# KiCad board Sebas_nuxros.kicad_pcb (continued)
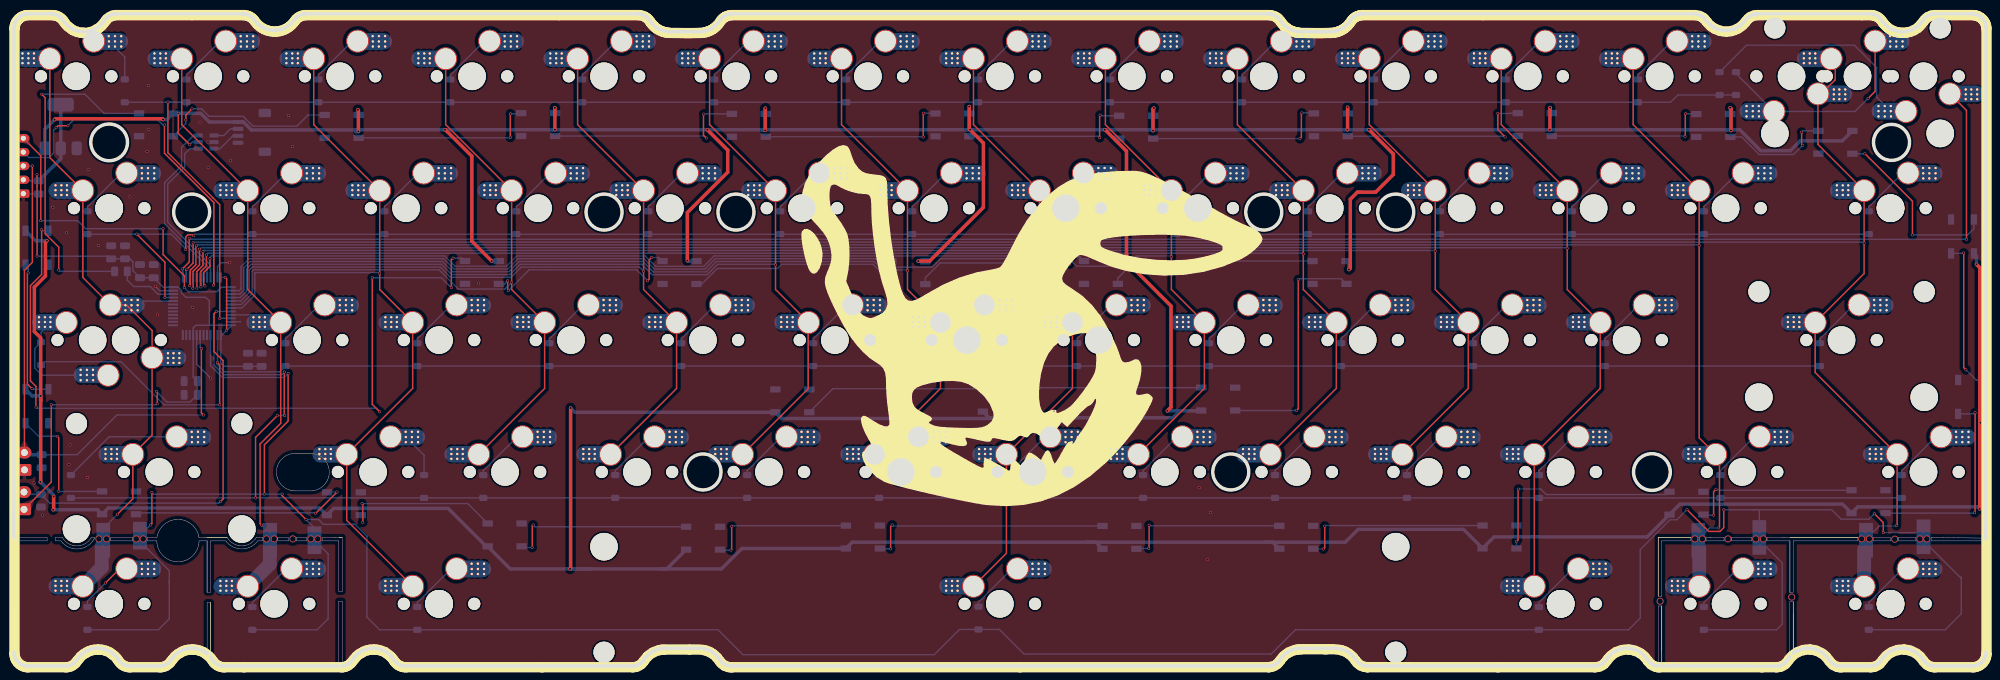
[diagram p0: board, top side]
## Nets (continued)
Net-(Drgb10-DOUT): Drgb10.2 Drgb11.4
Net-(Drgb11-DOUT): Drgb11.2 Drgb12.4
Net-(Drgb12-DOUT): Drgb12.2 Drgb13.4
Net-(Drgb13-DOUT): Drgb13.2 Drgb14.4
Net-(Drgb14-DOUT): Drgb14.2 Drgb15.4
Net-(Drgb15-DOUT): Drgb15.2 Drgb16.4
Net-(Drgb16-DOUT): Drgb16.2 Drgb17.4
Net-(Drgb17-DOUT): Drgb17.2 Drgb18.4
Net-(Drgb18-DOUT): Drgb18.2 Drgb19.4
Net-(Drgb19-DOUT): Drgb19.2 Drgb21.4
Net-(Drgb20-DIN): Drgb20.4 R2.2
Net-(Drgb21-DOUT): Drgb21.2 Drgb22.4
Net-(Drgb22-DOUT): Drgb22.2 Drgb23.4
Net-(Drgb23-DOUT): Drgb23.2 Drgb24.4
Net-(Drgb24-DOUT): Drgb24.2 Drgb25.4
Net-(Drgb25-DOUT): Drgb25.2 Drgb26.4
Net-(Drgb26-DOUT): Drgb26.2 Drgb27.4
Net-(Drgb27-DOUT): Drgb27.2 Drgb28.4
Net-(Drgb28-DOUT): Drgb28.2 Drgb29.4
Net-(Drgb29-DOUT): Drgb29.2 Drgb30.4
Net-(Drgb30-DOUT): Drgb30.2 Drgb31.4
Net-(Drgb31-DOUT): Drgb31.2 Drgb32.4
Net-(J1-Pin_2): J1.2 U3.1
Net-(J1-Pin_3): J1.3 U3.3

Pads without a net: Drgb32 2; Ud1 5 6 10 11 12 13 14 15 16 17 18 19

## Via types
v1: diameter 1, hole 0.8, Top to Bottom, 21 vias
v2: diameter 0.4, hole 0.3, Top to Bottom, 206 vias

## Routing (per net, layer and track width the routed paths; a pad name or vN(x,y) marks a point on that pad's centre or on a via; arc(x,y) is an arc through that point)
+3.3V: length 136.3
  Top w0.2: v2(30.72,48.49) 30.72,55.94 v2(30.53,56.13) ; v2(3.35,70.99) v2(3.35,59.22) ; v2(20.7,37.91) 20.7,39.55 v2(20.59,39.66) ; v2(5.4,37.75) 5.4,26.59 SWbôt1.1
  Bottom w0.2: v2(3.35,59.22) 13.66,59.22 C4.2 C9.2 16.77,58.83 17.19,58.41 17.19,57.13 C3.2 C8.2 21.55,54.74 Ud1.24 23.75,54.74 24.2,54.29 24.2,53.91 24.84,53.27 27.7,53.27 28.22,52.75 28.22,49.24 ; 28.22,49.24 26.28,49.24 25.89,48.85 Ud1.9 25.89,41.76 C7.2 C2.2 25.43,38.15 22.1,38.15 v2(20.59,39.66) ; 28.22,49.24 Ud1.48 31.3,49.07 v2(30.72,48.49) 30.06,47.83 Ud1.1 29.89,43.71 30.3,43.3 C1.2 C6.2 ; v2(20.7,37.91) 20.54,37.75 v2(5.4,37.75) ; Ud1.36 30.51,56.15 v2(30.53,56.13) ; J2.2 1.51,70.1 C5.2 3.35,70.33 v2(3.35,70.99)
  Bottom w0.5: C5.2 6.77,73.29 U2.2 U2.2
+5V: length 968.8
  Top w0.2: v2(25.38,75.32) 23.74,76.96 v2(23.74,79.84)
  Top w0.5: v2(195.63,77.48) 195.65,77.48 199.15,73.97 199.15,71.02 196.6,68.47 193.97,68.47 192.94,67.44 192.94,57.48 v2(192.74,57.28) ; v2(192.52,77.48) 192.55,77.51 v2(192.55,80.73) ; v2(247.91,77.37) 247.91,80.53 v2(247.77,80.67) ; v2(5.67,22.59) 5.74,22.66 v2(5.74,24.51) ; v2(283.79,22.73) 283.83,22.77 283.83,34.71 ; v2(166.52,36.87) 167.06,37.41 167.06,52.02 160.63,58.45 160.63,59.58 ; v2(97.23,58.58) 97.23,65.52 103.06,71.35 103.06,74.53 v2(100.11,77.48) ; v2(78.1,80.65) 78.11,80.64 v2(78.11,77.48) ; v2(283.34,58.04) 283.83,57.55 283.83,34.71 ; v2(221.76,77.48) 221.76,80.65 v2(221.79,80.68) ; v2(108.46,77.39) 108.46,80.55 v2(108.5,80.59) ; 283.83,34.71 283.83,35.02 v2(283.96,35.15) ; 3.87,38.59 3.87,26.66 v2(3.81,26.6) ; 3.87,38.59 3.87,47.41 2.96,48.32 2.96,54.75 4.56,56.35 4.56,61.24 v2(4.77,61.45) ; 3.87,38.59 3.87,38.34 v2(3.87,39.03) ; 160.63,59.58 160.63,74.39 157.55,77.48 v2(157.5,77.48) ; 160.63,59.58 v2(160.63,58.88) ; v2(130.55,58.52) 132.22,58.52 139.97,66.28 139.97,75.56 v2(138.05,77.48) 137.93,77.6 v2(137.93,80.83) ; v2(21.54,78.95) 21.44,79.06 6,79.06 v2(5.87,78.93) ; v2(62.22,77.48) 62.3,77.48 66.11,73.67 66.11,61.39 v2(68.99,58.51) ; v2(49.74,77.23) 49.74,80.29 v2(49.66,80.37) ; v2(164.58,80.61) 164.46,80.49 v2(164.46,77.34) ; v2(80.3,14.04) 80.38,14.12 v2(80.38,37.29)
  Bottom w0.2: v2(25.38,75.32) 25.76,75.7 U3.5
  Bottom w0.5: Drgb8.1 247.77,79.77 v2(247.77,80.67) ; Drgb24.1 3.12,61.45 v2(4.77,61.45) ; Drgb29.1 192.74,58.16 v2(192.74,57.28) ; Drgb25.1 69,58.52 v2(68.99,58.51) ; v2(221.79,80.68) 221.79,80.11 Drgb7.1 ; v2(160.63,58.88) 160.27,58.52 Drgb28.1 ; 137.45,77.48 v2(138.05,77.48) ; 137.45,77.48 107.94,77.48 ; 137.45,77.48 v2(157.5,77.48) 163.72,77.48 ; 77.65,77.48 v2(62.22,77.48) 49.95,77.48 ; 77.65,77.48 v2(100.11,77.48) 107.94,77.48 ; 77.65,77.48 v2(78.11,77.48) ; Drgb15.1 181.76,17.9 180.7,17.9 ; 154.84,17.9 180.7,17.9 ; 154.84,17.9 156.21,17.9 Drgb16.1 ; 154.84,17.9 121.02,17.9 Drgb17.1 105.11,17 102.15,14.04 93.27,14.04 ; 180.7,17.9 192.21,17.9 194.07,19.76 209.28,19.76 Drgb14.1 213.69,18.67 235.8,18.67 Drgb13.1 240.53,23.4 264.01,23.4 Drgb12.1 266.2,23.01 283.51,23.01 v2(283.79,22.73) ; Drgb9.1 263.97,75.87 257.88,75.87 256.46,74.45 252.2,74.45 249.17,77.48 247.29,77.48 ; Drgb4.1 137.93,79.85 v2(137.93,80.83) ; 107.94,77.48 108.37,77.48 v2(108.46,77.39) ; 83.29,14.04 93.27,14.04 ; 83.29,14.04 71.67,14.04 Drgb19.1 68.18,17.31 62.7,22.79 46.17,22.79 Drgb21.1 44.16,22.84 13.63,22.84 Drgb22.1 12.08,22.59 v2(5.67,22.59) ; 83.29,14.04 v2(80.3,14.04) ; 93.27,14.04 94.26,14.04 Drgb18.1 ; v2(3.81,26.6) 3.83,26.6 5.74,24.69 v2(5.74,24.51) ; 49.95,77.48 49.92,77.45 34.29,77.45 33.14,78.6 J1.1 28.22,78.6 26.98,79.84 Drgb20.1 22.09,78.95 v2(21.54,78.95) ; 49.95,77.48 49.63,77.48 49.36,77.21 49.72,77.21 v2(49.74,77.23) ; v2(130.55,58.52) 130.6,58.47 Drgb27.1 ; 168.34,36.87 171.36,36.87 Drgb30.1 ; 168.34,36.87 167.34,35.87 141.51,35.87 ; 168.34,36.87 v2(166.52,36.87) ; Drgb3.1 108.5,79.83 v2(108.5,80.59) ; v2(78.1,80.65) 78.1,79.91 Drgb2.1 ; v2(5.87,78.93) 4.47,77.53 U2.3 ; v2(192.55,80.73) 192.59,80.69 Drgb6.1 ; Drgb23.1 2.64,39.03 v2(3.87,39.03) ; v2(49.66,80.37) 49.66,79.72 Drgb1.1 ; Drgb31.1 140.8,35.87 141.51,35.87 ; v2(80.38,37.29) 81,36.67 Drgb32.1 110.84,35.77 141.41,35.77 141.51,35.87 ; 163.72,77.48 v2(192.52,77.48) v2(195.63,77.48) 247.29,77.48 ; 163.72,77.48 164.32,77.48 v2(164.46,77.34) ; 247.29,77.48 247.8,77.48 v2(247.91,77.37) ; Drgb10.1 283.34,59.25 v2(283.34,58.04) ; Drgb5.1 164.58,79.59 v2(164.58,80.61) ; v2(97.23,58.58) 97.31,58.5 Drgb26.1 ; v2(283.96,35.15) 283.96,36.44
GND: length 17.1
  Bottom w0.2: Ud1.35 29.39,57.7 29.97,58.28 v2(31.17,58.28) ; 32.7,49.78 32.66,49.74 Ud1.47 ; Ud1.23 21.05,54.24 v2(20.44,54.85) ; Ud1.8 26.39,43.63 v2(28.42,41.6) ; J2.1 1.41,68.2 C5.1
  vias: v2(2.91,26.47) v2(4.14,21.82) v2(5.63,66.29) v2(7.6,62.59) v2(7.96,29.14) v2(8.11,31.95) v2(10.65,27.26) v2(10.72,71.74) v2(12.18,60.77) v2(16.76,67.77) v2(19.23,74.34) v2(19.4,83.85) v2(19.49,77.52) v2(20.73,50.74) v2(25.83,51.84) v2(26.87,78.57) v2(28.03,75.69) v2(28.05,72.03) v2(31.29,73.07) v2(39.63,79.53) v2(40.26,75.03) v2(67.1,55.32) v2(171.15,25.78) v2(172.34,15.39) v2(172.74,22.2)
(no net):
  vias: v1(40.27,18.38) v1(237.67,9.38) v1(247.47,18.38) v1(256.67,9.98) v1(271.54,18.34)
boot: length 59.5
  Top w0.2: v2(29.22,51.22) 28.89,50.89 28.89,45.44 30.21,44.12 30.21,24.16 v2(29.83,23.78)
  Bottom w0.2: v2(29.22,51.22) 29.24,51.24 Ud1.44 ; SWbôt1.2 1.8,24.81 R1.1 5.17,23.55 29.6,23.55 v2(29.83,23.78)
C0: length 93.9
  Top w0.2: SW1.2 5.19,73.45 SW16.2 9.95,56.15 SW1001.1 16.25,52.18 19.95,48.48 SW30.2 19.95,33.37 SW1000.2 17.17,24.16 v2(14.95,21.94)
  Bottom w0.2: NOREF#8.1 12.9,19.89 v2(14.95,21.94) ; Ud1.20 22.97,52.73 16.73,52.73 SW1001.1
  Bottom w2: 12.69,17.28 12.69,14.28 SW57.2
  vias: v1(12.27,18.38) v1(13.37,18.38)
C1: length 89.6
  Top w0.2: v2(35.77,20.36) 35.54,20.59 35.54,32.09 38.53,35.07 SW31.2 33.76,54.4 SW17.2 24.24,78.22 SW2.2
  Bottom w0.2: Ud1.45 35.25,50.74 SW31.2 ; NOREF#4.1 37,19.13 v2(35.77,20.36)
  Bottom w2: 36.94,17.01 36.94,14.72 SW58.2
  vias: v1(36.47,18.38) v1(37.57,18.38)
C2: length 115.5
  Top w0.2: SW3.2 43.29,78.22 SW18.2 52.81,54.4 SW32.2 57.58,40.12 SW45.2 48.05,21.07 SW59.2
  Bottom w0.2: Ud1.43 32.92,51.74 34.79,53.61 34.79,56.8 34.84,56.85 52.71,56.85 v2(52.81,56.75)
C3: length 113.1
  Top w0.2: SW4.2 62.34,78.22 SW19.2 v2(71.86,55.44) 71.86,54.4 SW33.2 76.63,40.12 SW46.2
  Bottom w0.2: Ud1.42 32.82,52.24 34.39,53.81 34.39,57.03 34.61,57.25 61.38,57.25 64.16,54.47 70.91,54.47 71.86,55.42 v2(71.86,55.44)
C4: length 132
  Top w0.2: SW5.2 81.39,78.22 SW20.2 v2(90.91,57.04) 90.91,54.4 SW34.2 95.68,40.12 SW47.2
  Bottom w0.2: Ud1.41 32.76,52.74 33.99,53.97 33.99,57.19 34.45,57.65 61.55,57.65 63.04,56.16 71.78,56.16 73.27,57.65 90.3,57.65 v2(90.91,57.04)
C5: length 152.1
  Top w0.2: SW48.2 114.68,40.07 114.68,49.6 SW35.2 109.96,54.4 SW21.2 100.44,78.22 SW6.2
  Bottom w0.2: Ud1.40 32.69,53.24 33.59,54.14 33.59,57.36 34.28,58.05 61.71,58.05 63.2,56.56 71.62,56.56 73.11,58.05 90.64,58.05 92.14,56.55 100.1,56.55 101.6,58.05 109.86,58.05 v2(109.96,57.95)
C6: length 171.6
  Top w0.2: SW49.2 133.78,40.12 SW36.2 129.01,54.4 SW22.2 119.49,78.22 SW7.2
  Bottom w0.2: v2(129.01,57.13) 128.91,57.23 125.44,57.23 124.22,58.45 101.43,58.45 99.93,56.95 92.31,56.95 90.81,58.45 72.94,58.45 71.46,56.97 63.36,56.97 61.88,58.45 34.12,58.45 33.19,57.52 33.19,54.3 32.63,53.74 Ud1.39
C7: length 212.3
  Top w0.2: SW8.2 138.54,78.22 SW23.2 148.06,54.4 SW37.2 152.83,40.12 SW50.2 143.3,16.3 SW62.2
  Bottom w0.2: v2(148.06,58.75) 147.96,58.85 133.77,58.85 133.13,58.21 ; 133.13,58.21 132.55,57.63 125.6,57.63 124.38,58.85 101.27,58.85 99.77,57.35 92.48,57.35 90.98,58.85 72.78,58.85 71.3,57.37 63.53,57.37 62.05,58.85 33.95,58.85 32.79,57.69 32.79,54.47 32.56,54.24 Ud1.38 ; 133.13,58.21 133.23,58.31
C8: length 215.5
  Top w0.2: v2(27.59,54.91) 27.4,55.1 27.4,56.86 28.3,57.76 v2(28.3,58.86) ; SW9.2 157.59,78.22 SW24.2 167.11,54.4 SW38.2 171.88,40.12 SW51.2
  Bottom w0.2: Ud1.31 27.39,55.11 v2(27.59,54.91) ; v2(28.3,58.86) 28.3,59 28.55,59.25 62.21,59.25 63.69,57.77 71.13,57.77 72.61,59.25 91.14,59.25 92.64,57.75 99.6,57.75 101.1,59.25 151.96,59.25 153.44,57.77 160.54,57.77 162.02,59.25 167.01,59.25 v2(167.11,59.15)
C9: length 231.9
  Top w0.2: v2(27.8,59.39) 27.8,57.82 27,57.03 v2(27,54.78) ; SW52.2 190.93,40.12 SW39.2 186.16,54.4 SW25.2 176.64,78.22 SW10.2
  Bottom w0.2: v2(186.16,59.55) 186.06,59.65 28,59.65 27.85,59.5 27.85,59.44 v2(27.8,59.39) ; v2(27,54.78) 26.89,54.89 Ud1.30
C10: length 252.2
  Top w0.2: SW53.2 209.98,40.12 SW40.2 205.21,54.4 SW26.2 195.69,78.22 SW11.2 ; v2(27.3,59.88) 27.3,57.89 26.43,57.02 v2(26.43,54.61)
  Bottom w0.2: v2(26.43,54.61) 26.39,54.65 Ud1.29 ; v2(27.3,59.88) 27.3,59.89 27.46,60.05 205.11,60.05 v2(205.21,59.95)
C11: length 291.3
  Top w0.2: SW12.2 214.74,78.22 SW27.2 224.26,54.4 SW41.2 229.03,40.12 SW54.2 219.5,11.54 SW68.2 ; v2(26.8,60.22) 26.8,57.96 25.88,57.03 25.88,54.62 v2(25.83,54.57)
  Bottom w0.2: v2(224.26,60.35) 224.16,60.45 27.06,60.45 26.84,60.22 v2(26.8,60.22) ; Ud1.28 25.89,54.63 v2(25.83,54.57)
C12: length 306.6
  Top w0.2: v2(25.38,54.97) 25.46,55.05 25.46,57.18 26.28,58 26.28,60.62 v2(26.38,60.72) ; v2(246.1,19.96) 246.24,20.1 246.24,30.04 SW55.2 243.31,32.97 v2(243.31,60.75) SW28.2 233.79,78.22 SW13.2
  Bottom w0.2: 243.2,18.15 243.2,18.35 244.81,19.96 v2(246.1,19.96) 246.05,19.91 ; v2(243.31,60.75) 243.21,60.85 26.51,60.85 v2(26.38,60.72) ; Ud1.27 25.39,54.98 v2(25.38,54.97)
  Bottom w2: SW69.2 243.31,16.95
  vias: v1(242.67,18.38) v1(243.77,18.38)
C13: length 337.5
  Top w0.2: SW1002.2 262.95,87.15 262.95,84.69 260.92,82.66 SW14.2 260.46,75.36 SW29.2 v2(267.13,61.08) 267.13,56.71 SW43.2 260.06,42.42 SW56.2 271.89,20.42 v2(271.78,20.31) ; v2(25.88,61.15) 25.88,58.23 24.82,57.17 v2(24.98,57.33)
  Bottom w0.2: v2(267.13,61.08) 266.96,61.25 25.98,61.25 v2(25.88,61.15) ; v2(24.98,57.33) 24.89,57.24 Ud1.26 ; v2(271.78,20.31) 271.72,20.25 269.31,20.25 267.4,18.34 NOREF#2.1
  Bottom w2: SW70.2 267.13,16.9
  vias: v1(266.77,18.38) v1(267.87,18.38)
C14: length 284.7
  Top w0.2: v2(25.32,61.81) 25.32,58.38 v2(24.32,57.38) ; SW15.2 281.9,80.27 v2(281.9,61.67)
  Bottom w0.2: v2(25.32,61.81) 25.48,61.65 281.88,61.65 v2(281.9,61.67) ; Ud1.25 24.39,57.31 v2(24.32,57.38)
CLK: length 48.1
  Top w0.2: J2.5 3.88,73.73 v2(3.88,64.35) ; v2(21.54,63.19) 21.54,59.45 24.62,56.37 v2(24.62,54.67)
  Bottom w0.2: v2(3.88,64.35) 9.19,64.35 10.35,63.19 v2(21.54,63.19) ; v2(24.62,54.67) 25.22,54.07 29.3,54.07 29.97,54.74 Ud1.37
D+: length 23.7
  Bottom w0.2: U3.4 25.43,74.75 24.67,73.99 24.67,72.1 22.22,69.65 22.22,64.1 28.37,57.95 28.37,57.28 28.39,57.26 Ud1.33
D-: length 25.5
  Bottom w0.2: Ud1.32 27.89,57.26 27.92,57.28 27.92,57.77 21.77,63.92 21.77,69.83 24.22,72.28 24.22,74.95 25.91,76.65 U3.6
DIO: length 52.5
  Top w0.2: v2(6.09,77.77) 6.37,78.05 v2(7.79,78.05) ; v2(28.81,55.02) 28.87,55.08 28.87,66.95 21.74,74.08 v2(21.74,78.17)
  Bottom w0.2: J2.4 2.13,73.48 5.11,73.48 5.72,74.1 5.72,77.4 v2(6.09,77.77) ; v2(7.79,78.05) 8.65,78.91 20.81,78.91 21.55,78.17 v2(21.74,78.17) ; v2(28.81,55.02) 28.89,55.1 Ud1.34
R0: length 271.7
  Top w0.2: v2(29.72,50.21) 29.72,66.67 22.24,74.15 v2(22.24,81.48)
  Bottom w0.2: v2(22.24,81.48) 22.74,81.48 22.77,81.45 D2.1 ; D2.1 D13.1 239.17,81.45 240.22,82.5 D14.1 ; D2.1 D1.1 ; v2(29.72,50.21) 29.75,50.24 Ud1.46
R1: length 272.3
  Top w0.2: v2(25.96,62.19) 25.84,62.31 25.11,62.31 24.81,62 v2(24.81,60.17) ; v2(21.8,53.23) 21.8,58.35 v2(17.75,62.4)
  Bottom w0.2: D16.1 v2(17.75,62.4) 22.72,62.4 24.81,60.31 v2(24.81,60.17) ; v2(21.8,53.23) 21.81,53.24 Ud1.21 ; D29.1 267.78,62.38 34.46,62.38 D17.1 26.17,62.4 v2(25.96,62.19)
R2: length 271.2
  Top w0.2: v2(29.71,37.75) 29.71,43.53 v2(29.39,43.85)
  Bottom w0.2: D43.1 D31.1 38.35,42.5 30.44,42.5 29.39,43.55 v2(29.39,43.85) Ud1.2 ; v2(29.71,37.75) 21.69,37.75 15.47,43.97 4.41,43.97 D30.1
R3: length 300.1
  Top w0.2: v2(34.89,24.3) 34.89,33.05 v2(38.03,36.18) ; v2(39.1,36.21) 39.04,36.27 v2(39.04,42.49)
  Bottom w0.2: v2(39.04,42.49) 38.66,42.1 30.28,42.1 28.89,43.48 Ud1.3 ; v2(39.1,36.21) 38.06,36.21 v2(38.03,36.18) ; D42.1 v2(34.89,24.3) D56.1
R4: length 450.3
  Top w0.2: v2(241.55,22.61) 244.7,19.46 246.31,19.46 246.85,20 v2(246.85,22.59) ; v2(269.88,19.29) 269.88,20.75 v2(268.61,22.02) ; v2(42.18,21.18) 38.74,24.62 v2(38.74,24.85) ; v2(19.73,20.4) 19.92,20.59 v2(19.92,25.1) ; v2(39.6,42.27) 39.6,35.41 36.17,31.98 v2(36.17,24.85)
  Bottom w0.2: 281.14,12.68 281.14,12.9 ; 281.14,12.68 281.14,7.57 278.82,5.25 D70.1 267.75,5.3 ; 281.14,12.68 275.7,18.12 NOREF#3.1 ; 22.43,12.08 22.43,6.83 20.85,5.25 D57.1 ; 22.43,12.08 22.43,13.79 18.2,18.02 NOREF#6.1 19.73,20.37 v2(19.73,20.4) ; 22.43,12.08 22.43,12.41 ; v2(268.61,22.02) 267.82,21.23 263.8,21.23 262.44,22.59 251.87,22.59 ; 251.87,22.59 252,22.46 NOREF#5.1 252,18.21 255.3,14.91 255.3,6.07 254.48,5.25 D69.1 ; 251.87,22.59 251.14,22.59 ; v2(241.55,22.61) 240.08,21.14 239.09,21.14 234.8,16.85 234.8,6.94 233.11,5.25 D68.1 185.12,5.25 185.07,5.3 181.52,1.75 145.84,1.75 142.29,5.3 D62.1 136.52,5.3 132.88,1.66 105.25,1.66 101.66,5.25 D59.1 52.8,5.25 50.97,7.08 50.97,18.78 49.27,20.48 44.69,20.48 43.99,21.18 v2(42.18,21.18) 43.4,19.96 NOREF.1 45.37,16.22 45.37,6.84 43.78,5.25 D58.1 ; 251.14,22.59 v2(246.85,22.59) ; 251.14,22.59 251.37,22.59 ; v2(19.92,25.1) 20.17,24.85 v2(36.17,24.85) v2(38.74,24.85) ; v2(269.88,19.29) 275.1,19.29 ; Ud1.4 28.39,43.42 30.11,41.7 39.03,41.7 v2(39.6,42.27)
  vias: v1(17.67,18.38) v1(18.67,18.38) v1(42.87,18.38) v1(43.87,18.38) v1(251.47,18.38) v1(252.57,18.38) v1(275.17,18.38) v1(276.17,18.38)
RGB: length 8.7
  Bottom w0.2: R2.1 16.37,55.76 17.29,54.84 19.68,54.84 20.78,53.74 Ud1.22
RST: length 83.3
  Top w0.2: v2(2.67,72.27) 2.67,58.32 1.53,57.17 SWbôtrst1.2 ; v2(27.07,45.88) 27.07,36.58 v2(27.37,36.28)
  Bottom w0.2: v2(27.37,36.28) 14.87,36.28 9.14,30.55 C10.1 ; v2(2.67,72.27) 2.65,72.25 J2.3 ; Ud1.7 26.89,46.06 v2(27.07,45.88)
  Bottom w0.5: SWbôtrst1.2 1.83,30.55 C10.1
Net-(D1-A): length 7.2
  Bottom w0.2: 10.76,90.28 SW1.1 ; D1.2 16.01,87.97 13.75,90.24
Net-(D2-A): length 8.3
  Bottom w0.2: D2.2 24.91,85.38 29.81,90.28 SW2.1
Net-(D3-A): length 8.3
  Bottom w0.2: D3.2 43.96,85.38 48.86,90.28 SW3.1
Net-(D4-A): length 8.3
  Bottom w0.2: D4.2 63.01,85.38 67.91,90.28 SW4.1
Net-(D5-A): length 8.3
  Bottom w0.2: D5.2 82.06,85.38 86.96,90.28 SW5.1
Net-(D6-A): length 8.3
  Bottom w0.2: SW6.1 106.01,90.28 101.11,85.38 D6.2
Net-(D7-A): length 10.5
  Bottom w0.2: D7.2 120.16,85.38 125.02,90.24 128.05,90.24
Net-(D8-A): length 8.3
  Bottom w0.2: SW8.1 144.11,90.28 139.21,85.38 D8.2
Net-(D9-A): length 8.3
  Bottom w0.2: SW9.1 163.16,90.28 158.26,85.38 D9.2
Net-(D10-A): length 8.3
  Bottom w0.2: D10.2 177.31,85.38 182.21,90.28 SW10.1
Net-(D11-A): length 8.3
  Bottom w0.2: SW11.1 201.26,90.28 196.36,85.38 D11.2
Net-(D12-A): length 8.3
  Bottom w0.2: SW12.1 220.31,90.28 215.41,85.38 D12.2
Net-(D13-A): length 8.3
  Bottom w0.2: D13.2 234.46,85.38 239.36,90.28 SW13.1
Net-(D14-A): length 31
  Top w0.2: SW1002.1 268.71,83.02 v2(267.69,82)
  Bottom w0.2: v2(267.69,82) 265.81,80.12 SW14.1 248.63,85.6 D14.2
Net-(D15-A): length 32.8
  Bottom w0.2: D15.2 250.14,89.69 265.71,89.69 268.93,86.47 268.93,82.18 SW15.1
Net-(D16-A): length 8.3
  Bottom w0.2: D16.2 10.62,66.34 15.52,71.23 SW16.1
Net-(D17-A): length 8.3
  Bottom w0.2: SW17.1 39.34,71.23 34.44,66.33 D17.2
Net-(D18-A): length 8.3
  Bottom w0.2: SW18.1 58.39,71.23 53.49,66.33 D18.2
Net-(D19-A): length 8.3
  Bottom w0.2: D19.2 72.54,66.33 77.44,71.23 SW19.1
Net-(D20-A): length 8.4
  Bottom w0.2: D20.2 91.59,66.36 96.46,71.23 SW20.1
Net-(D21-A): length 8.3
  Bottom w0.2: D21.2 110.64,66.33 115.54,71.23 SW21.1
Net-(D22-A): length 8.3
  Bottom w0.2: SW22.1 134.59,71.23 129.69,66.33 D22.2
Net-(D23-A): length 8.3
  Bottom w0.2: D23.2 148.74,66.33 153.64,71.23 SW23.1
Net-(D24-A): length 8.3
  Bottom w0.2: SW24.1 172.69,71.23 167.79,66.33 D24.2
Net-(D25-A): length 8.3
  Bottom w0.2: SW25.1 191.74,71.23 186.84,66.33 D25.2
Net-(D26-A): length 8.3
  Bottom w0.2: SW26.1 210.79,71.23 205.89,66.33 D26.2
Net-(D27-A): length 8.3
  Bottom w0.2: D27.2 224.94,66.33 229.84,71.23 SW27.1
Net-(D28-A): length 8.4
  Bottom w0.2: D28.2 243.99,66.36 248.86,71.23 SW28.1
Net-(D29-A): length 8.3
  Bottom w0.2: D29.2 267.8,66.34 272.69,71.23 SW29.1
Net-(D30-A): length 18.6
  Bottom w0.2: SW30.1 4.05,42.02 3.03,43.04 3.03,45.89 D30.2 3.93,48.2 SW1001.2
Net-(D31-A): length 8.3
  Bottom w0.2: D31.2 39.2,47.28 44.1,52.18 SW31.1
Net-(D32-A): length 8.3
  Bottom w0.2: D32.2 58.25,47.28 63.15,52.18 SW32.1
Net-(D33-A): length 8.3
  Bottom w0.2: SW33.1 82.2,52.18 77.3,47.28 D33.2
Net-(D34-A): length 8.3
  Bottom w0.2: D34.2 96.35,47.28 101.25,52.18 SW34.1
Net-(D35-A): length 8.3
  Bottom w0.2: D35.2 115.4,47.28 120.3,52.18 SW35.1
Net-(D36-A): length 8.3
  Bottom w0.2: D36.2 134.45,47.28 139.35,52.18 SW36.1
Net-(D37-A): length 8.3
  Bottom w0.2: D37.2 153.5,47.28 158.4,52.18 SW37.1
Net-(D38-A): length 8.3
  Bottom w0.2: D38.2 172.55,47.28 177.45,52.18 SW38.1
Net-(D39-A): length 8.3
  Bottom w0.2: SW39.1 196.5,52.18 191.6,47.28 D39.2
Net-(D40-A): length 8.3
  Bottom w0.2: SW40.1 215.55,52.18 210.65,47.28 D40.2
Net-(D41-A): length 8.3
  Bottom w0.2: SW41.1 234.6,52.18 229.7,47.28 D41.2
Net-(D42-A): length 17.6
  Bottom w0.2: SW1000.1 13.77,33.13 D42.2
Net-(D43-A): length 8.3
  Bottom w0.2: SW43.1 265.63,52.18 260.73,47.28 D43.2
Net-(D45-A): length 7.3
  Bottom w0.2: SW45.1 59.22,30.47 D45.2 ; 53.63,33.13 SW45.1
Net-(D46-A): length 8.3
  Bottom w0.2: SW46.1 72.68,33.13 67.77,28.23 D46.2
Net-(D47-A): length 8.3
  Bottom w0.2: SW47.1 91.73,33.13 86.82,28.23 D47.2
Net-(D48-A): length 8.3
  Bottom w0.2: D48.2 105.87,28.23 110.78,33.13 SW48.1
Net-(D49-A): length 8.3
  Bottom w0.2: SW49.1 129.83,33.13 124.92,28.23 D49.2
Net-(D50-A): length 10.5
  Bottom w0.2: D50.2 143.97,28.23 148.83,33.09 SW50.1
Net-(D51-A): length 8.3
  Bottom w0.2: D51.2 163.02,28.23 167.93,33.13 SW51.1
Net-(D52-A): length 8.3
  Bottom w0.2: SW52.1 186.98,33.13 182.07,28.23 D52.2
Net-(D53-A): length 8.4
  Bottom w0.2: SW53.1 205.99,33.13 201.12,28.26 D53.2
Net-(D54-A): length 8.3
  Bottom w0.2: D54.2 220.17,28.23 225.08,33.13 SW54.1
Net-(D55-A): length 8.3
  Bottom w0.2: D55.2 246.37,28.23 251.27,33.13 SW55.1
Net-(D56-A): length 8.3
  Bottom w0.2: SW56.1 277.46,33.13 272.56,28.23 D56.2
Net-(D57-A): length 8.5
  Top w0.2: v2(13.21,12.01) 15.28,14.08 SW57.1
  Bottom w0.2: D57.2 10.62,9.42 v2(13.21,12.01)
Net-(D58-A): length 8.3
  Bottom w0.2: D58.2 34.44,9.18 39.34,14.08 SW58.1
Net-(D59-A): length 8.3
  Bottom w0.2: SW59.1 63.14,14.08 58.25,9.19 D59.2
Net-(D62-A): length 8.3
  Bottom w0.2: D62.2 139.26,9.23 144.11,14.08 SW62.1
Net-(D68-A): length 8.3
  Bottom w0.2: SW68.1 225.07,14.08 220.17,9.19 D68.2
Net-(D69-A): length 8.3
  Bottom w0.2: SW69.1 248.89,14.08 243.99,9.18 D69.2
Net-(D70-A): length 8.3
  Bottom w0.2: SW70.1 272.69,14.08 267.8,9.19 D70.2
Net-(Drgb1-DIN): length 25.9
  Top w0.2: v2(24.82,78.91) 24.82,79.6 v2(25.72,80.5)
  Bottom w0.2: Drgb1.4 42.47,79.61 40.86,78 34.51,78 33.1,79.41 28.19,79.41 27.1,80.5 v2(25.72,80.5) ; Drgb20.2 24.82,78.38 v2(24.82,78.91)
Net-(Drgb1-DOUT): length 26.9
  Top w0.2: v2(71.7,79.78) 71.67,79.75 v2(71.67,76.38)
  Bottom w0.2: v2(71.67,76.38) 71.6,76.31 Drgb1.2 ; Drgb2.4 73.15,79.78 v2(71.7,79.78)
Net-(Drgb2-DOUT): length 29.7
  Top w0.2: v2(99.61,79.74) 99.56,79.69 99.56,76.69 v2(99.98,76.27)
  Bottom w0.2: v2(99.61,79.74) 99.64,79.77 Drgb3.4 ; Drgb2.2 99.68,76.57 v2(99.98,76.27)
Net-(Drgb3-DOUT): length 27.9
  Top w0.2: v2(131.33,79.86) 131.29,79.82 v2(131.29,76.44)
  Bottom w0.2: Drgb4.4 133.02,79.86 v2(131.33,79.86) ; Drgb3.2 131.26,76.47 v2(131.29,76.44)
Net-(Drgb4-DOUT): length 25
  Top w0.2: v2(156.75,76.34) 156.75,79.52 v2(156.82,79.59)
  Bottom w0.2: Drgb4.2 156.56,76.53 v2(156.75,76.34) ; Drgb5.4 156.91,79.5 v2(156.82,79.59)
Net-(Drgb5-DOUT): length 26.8
  Top w0.2: v2(185.96,79.91) 185.88,79.83 185.88,76.4 v2(185.67,76.19)
  Bottom w0.2: Drgb5.2 185.66,76.2 v2(185.67,76.19) ; v2(185.96,79.91) 187.62,79.91 Drgb6.4
Net-(Drgb6-DOUT): length 29.5
  Top w0.2: v2(215.29,76.44) 214.24,77.49 v2(214.24,79.83)
  Bottom w0.2: Drgb7.4 216.04,79.87 216,79.83 v2(214.24,79.83) ; v2(215.29,76.44) 215.19,76.54 Drgb6.2
Net-(Drgb7-DOUT): length 24.1
  Top w0.2: v2(241.35,79.79) 241.31,79.75 241.31,76.55 v2(241.28,76.52)
  Bottom w0.2: Drgb8.4 242.85,79.79 v2(241.35,79.79) ; v2(241.28,76.52) 241.23,76.57 Drgb7.2
Net-(Drgb8-DOUT): length 16.5
  Top w0.2: v2(258.1,77.13) 258.1,75.36 v2(258.24,75.22)
  Bottom w0.2: Drgb8.2 249.44,76.44 251.97,73.9 256.92,73.9 v2(258.24,75.22) ; Drgb9.4 258.29,77.32 v2(258.1,77.13)
Net-(Drgb10-DIN): length 27
  Top w0.2: v2(274.1,62.29) 274.1,67.15 v2(267.23,74.02)
  Bottom w0.2: Drgb10.4 282.97,63.19 282.07,62.29 v2(274.1,62.29) ; Drgb9.2 v2(267.23,74.02)
Net-(Drgb10-DOUT): length 21.6
  Top w0.2: v2(281.82,42.81) 281.5,43.13 v2(281.5,59.67)
  Bottom w0.2: Drgb10.2 281.45,59.62 v2(281.5,59.67) ; v2(281.82,42.81) 283.29,41.34 Drgb11.4
Net-(Drgb11-DOUT): length 29.9
  Top w0.2: v2(283.14,36.61) 283.14,22.25 v2(283.07,22.18)
  Bottom w0.2: v2(283.07,22.18) 283,22.11 Drgb12.4 ; Drgb11.2 282.97,36.44 v2(283.14,36.61)
Net-(Drgb12-DOUT): length 25
  Top w0.2: v2(245.39,21.8) 245.39,25.2 v2(245.74,25.55)
  Bottom w0.2: Drgb13.4 244.01,21.8 v2(245.39,21.8) ; Drgb12.2 245.88,25.41 v2(245.74,25.55)
Net-(Drgb13-DOUT): length 31
  Top w0.2: v2(216.93,18.02) 217.17,18.26 217.17,25.51 v2(217.23,25.57)
  Bottom w0.2: Drgb14.4 216.93,17.01 v2(216.93,18.02) ; v2(217.23,25.57) 217.25,25.59 220.42,25.59 221.22,24.79 238.62,24.79 Drgb13.2
Net-(Drgb14-DOUT): length 27.7
  Top w0.2: v2(189.25,20.23) 189.25,17.12 v2(189.05,16.92)
  Bottom w0.2: v2(189.25,20.23) 189.33,20.31 Drgb14.2 ; v2(189.05,16.92) 187.64,16.92 Drgb15.4
Net-(Drgb15-DOUT): length 24
  Top w0.2: v2(163.84,17) 163.9,17.06 v2(163.9,20.36)
  Bottom w0.2: Drgb16.4 162.11,17 v2(163.84,17) ; v2(163.9,20.36) 163.99,20.27 Drgb15.2
Net-(Drgb16-DOUT): length 35.5
  Top w0.2: v2(126.58,16.94) 126.58,20.16 v2(126.81,20.39)
  Bottom w0.2: Drgb16.2 126.95,20.25 v2(126.81,20.39) ; v2(126.58,16.94) 125.08,16.94 Drgb17.4
Net-(Drgb17-DOUT): length 21.6
  Top w0.2: v2(103.63,20.21) 103.63,16.86 v2(103.52,16.75)
  Bottom w0.2: v2(103.52,16.75) 102.03,16.75 Drgb18.4 ; Drgb17.2 103.72,20.3 v2(103.63,20.21)
Net-(Drgb18-DOUT): length 27.1
  Top w0.2: v2(74.83,17.14) 74.85,17.16 74.85,20.28 v2(74.96,20.39)
  Bottom w0.2: v2(74.96,20.39) 75.22,20.13 Drgb18.2 ; v2(74.83,17.14) 73.47,17.14 Drgb19.4
Net-(Drgb19-DOUT): length 23.2
  Top w0.2: v2(50.27,23.48) 50.37,23.38 v2(50.37,20.78)
  Bottom w0.2: Drgb21.4 50.37,21.53 v2(50.37,20.78) ; Drgb19.2 65.53,23.48 v2(50.27,23.48)
Net-(Drgb20-DIN): length 49.8
  Top w0.2: v2(6.48,57.22) 6.48,60.52 4.51,62.49 4.51,82.11 v2(4.01,82.61)
  Bottom w0.2: v2(4.01,82.61) 10.27,82.61 13.04,79.84 Drgb20.4 ; v2(6.48,57.22) 6.68,57.02 R2.2
Net-(Drgb21-DOUT): length 31.9
  Top w0.2: v2(43.54,22.09) 43.59,22.09 v2(46.65,25.15)
  Bottom w0.2: v2(43.54,22.09) 43.49,22.14 17.83,22.14 Drgb22.4 ; v2(46.65,25.15) 45.23,25.15 Drgb21.2
Net-(Drgb22-DOUT): length 19.7
  Top w0.2: v2(6.31,33.15) 6.47,32.99 v2(6.47,25.27)
  Bottom w0.2: Drgb22.2 6.5,25.24 v2(6.47,25.27) ; Drgb23.4 3.56,33.21 6.25,33.21 v2(6.31,33.15)
Net-(Drgb23-DOUT): length 20.8
  Top w0.2: v2(2.62,40.09) 1.95,40.76 1.95,56.68 v2(2.06,56.79)
  Bottom w0.2: v2(2.62,40.09) 2.72,39.99 Drgb23.2 ; v2(2.06,56.79) 2.06,57.61 Drgb24.4
Net-(Drgb24-DOUT): length 115.7
  Top w0.2: v2(3.2,37.43) 3.18,37.45 3.18,40.42 2.39,41.21 2.39,54.96 4.01,56.58 v2(4.01,63.05) ; v2(52.82,36.74) 51.75,37.81 v2(51.75,56.1) ; v2(63.4,58.94) 63.16,58.7 v2(63.16,54.66)
  Bottom w0.2: v2(63.16,54.66) 61.72,56.1 v2(51.75,56.1) ; Drgb25.4 64.71,58.94 v2(63.4,58.94) ; v2(52.82,36.74) 52.31,37.25 3.38,37.25 v2(3.2,37.43) ; v2(4.01,63.05) 4.17,62.89 Drgb24.2
Net-(Drgb25-DOUT): length 30.3
  Top w0.2: v2(91.49,55.67) 91.72,55.9 91.72,58.68 v2(92.07,59.03) ; v2(71.29,55.66) 71.29,54.34 v2(71.39,54.24)
  Bottom w0.2: v2(71.39,54.24) 74.4,57.25 89.91,57.25 v2(91.49,55.67) ; Drgb26.4 93.12,59.03 v2(92.07,59.03) ; Drgb25.2 70.85,55.22 v2(71.29,55.66)
Net-(Drgb26-DOUT): length 33.6
  Top w0.2: v2(125.44,58.66) 126.46,57.64 v2(126.46,56.55)
  Bottom w0.2: v2(126.46,56.55) 125.55,56.55 124.05,58.05 110.84,58.05 110.23,57.44 101.55,57.44 99.31,55.2 Drgb26.2 ; v2(125.44,58.66) 126.5,58.66 Drgb27.4
Net-(Drgb27-DOUT): length 25.9
  Top w0.2: v2(152.77,59.15) 152.41,58.79 v2(152.41,58.09)
  Bottom w0.2: Drgb28.4 153.86,59.15 v2(152.77,59.15) ; v2(152.41,58.09) 152.26,58.24 133.73,58.24 131.59,56.1 Drgb27.2
Net-(Drgb28-DOUT): length 30
  Bottom w0.2: Drgb29.4 161.85,58.51 159.39,56.05 Drgb28.2
Net-(Drgb29-DOUT): length 35.2
  Top w0.2: v2(185.17,36.94) 185.43,37.2 v2(185.43,55.83)
  Bottom w0.2: Drgb30.4 185.16,36.93 v2(185.17,36.94) ; v2(185.43,55.83) 185.56,55.96 191.64,55.96 Drgb29.2
Net-(Drgb30-DOUT): length 28.1
  Bottom w0.2: Drgb31.4 148.26,40.23 Drgb30.2
Net-(Drgb31-DOUT): length 26.5
  Bottom w0.2: Drgb31.2 118.24,40.07 Drgb32.4
Net-(J1-Pin_2): length 3.9
  Bottom w0.2: J1.2 31.28,77.6 30.33,76.65 U3.1
Net-(J1-Pin_3): length 4.2
  Bottom w0.2: U3.3 29.77,74.75 31.62,76.6 J1.3

## Copper pours and planes (outline as drawn; the poured copper is in the pictures)
GND on Top, Bottom: 302.19,118.08 -28.01,118.08 -28.01,-34.32 302.19,-34.32

Small or netless copper shapes (teardrops, artwork), in the pictures only: 3 on Top, 284 on Bottom

## Text on the board
B.Mask: Design: L.Q.Tr
